# Altium PCB PCB_SmartWatch.PcbDoc (continued)
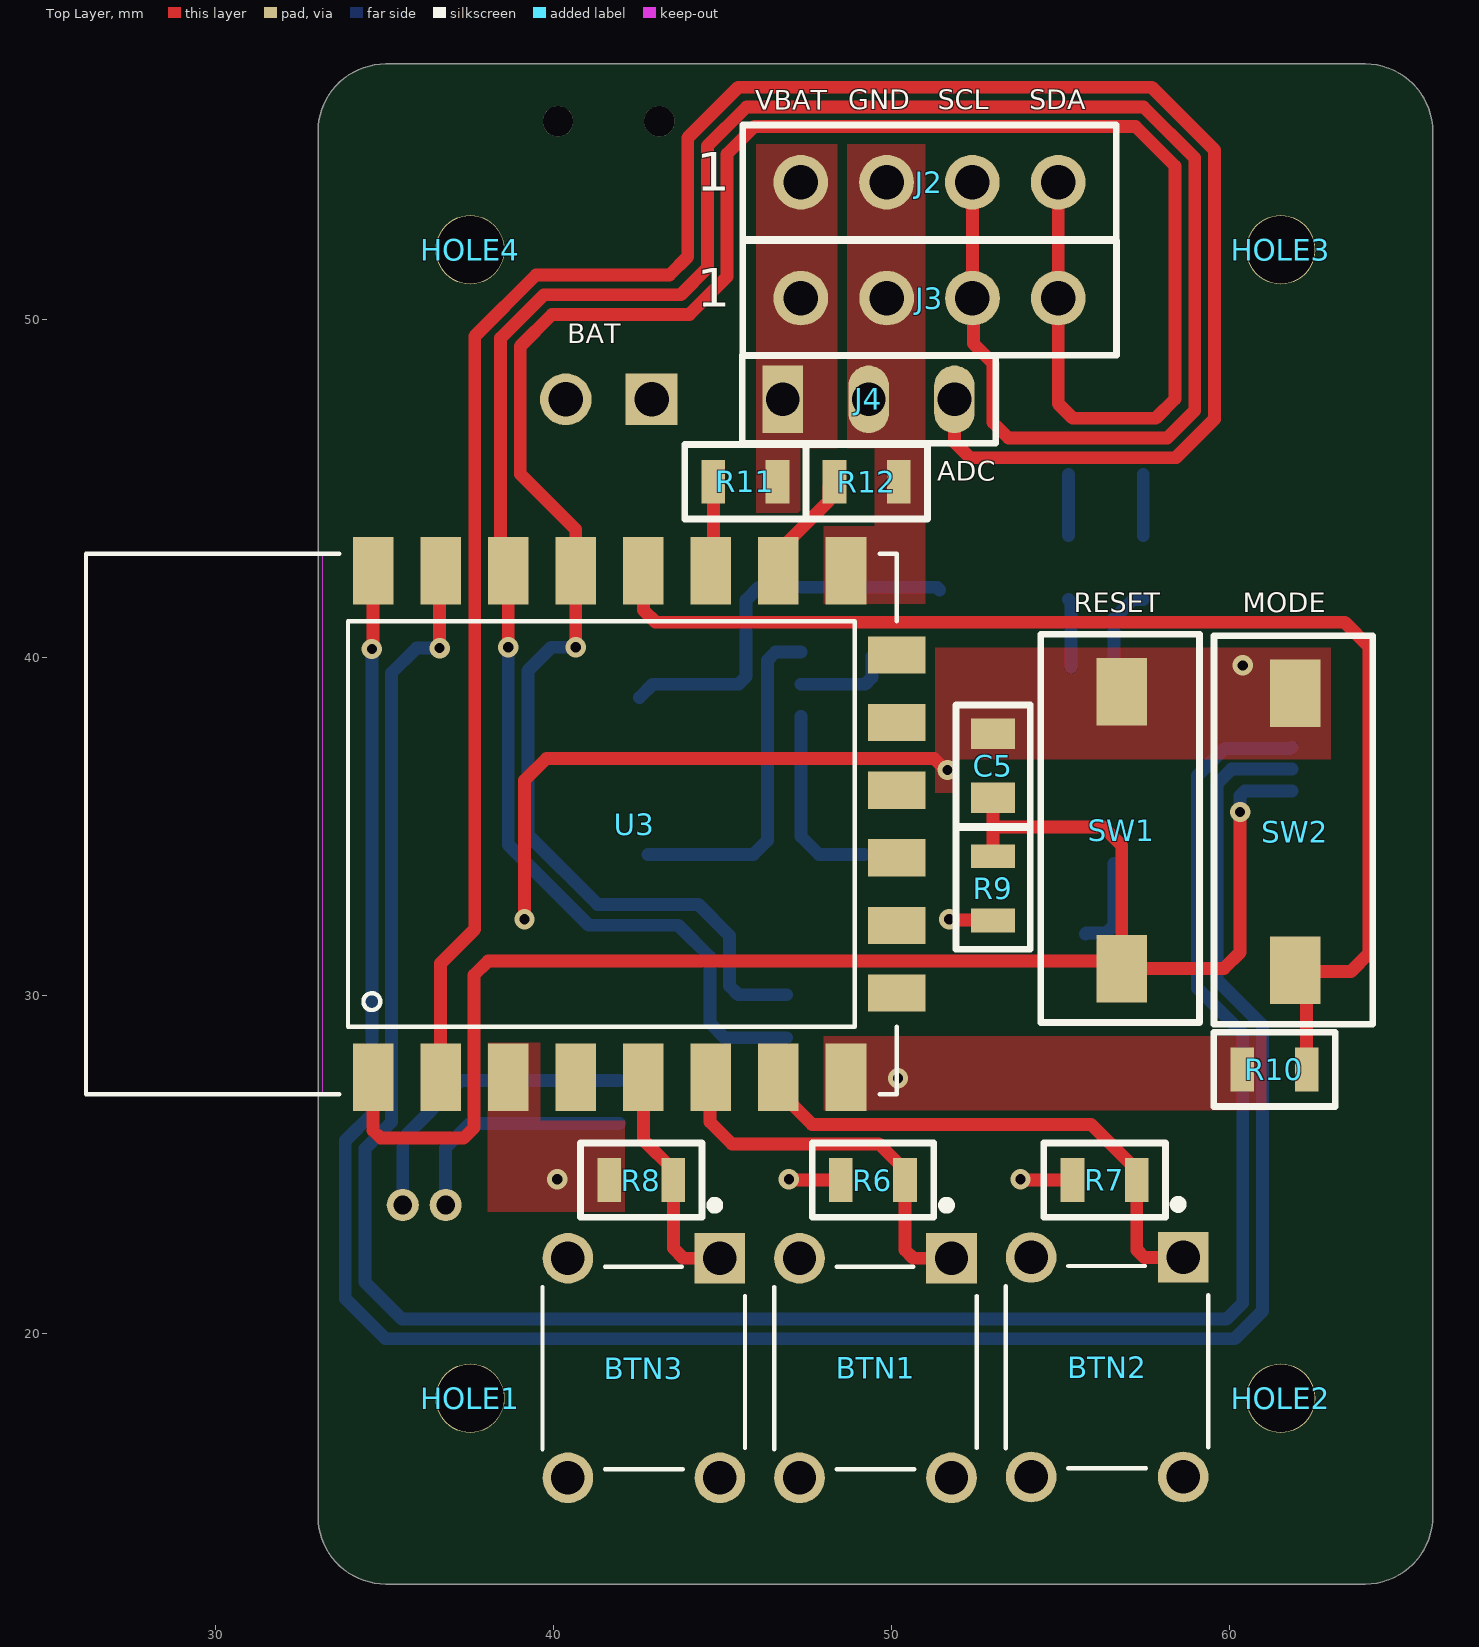
[diagram p0: Top Layer view]
## Part data (continued)
C3: library part CC0805ZKY5V6BB106, "CAP CER 10UF 10V Y5V 0805", Case/Package=0805, Case Code (Metric)=2012, Dielectric=Y5V, Dielectric Material=Ceramic, Manufacturer=Yageo, Max Operating Temperature=85°C, Min Operating Temperature=-30°C, Package Quantity=1, Supplier Part Number 1=311-1355-1-ND, Tolerance=80%, Voltage Rating=10V, Capacitance=10uF, Case Code (Imperial)=0805, ComponentLink1Description=https://datasheet.ciiva.com/11465/upy-gphc-y5v-6-3v-to-50v-5-11465832.pdf?src-supplier=Avnet, ComponentLink1URL=https://datasheet.ciiva.com/11465/upy-gphc-y5v-6-3v-to-50v-5-11465832.pdf?src-supplier=Avnet, ComponentLink2Description=https://datasheet.ciiva.com/16624/upy-gphc-y5v-6-3v-to-50v-5-16624678.pdf?src-supplier=Avnet+Europe, ComponentLink2URL=https://datasheet.ciiva.com/16624/upy-gphc-y5v-6-3v-to-50v-5-16624678.pdf?src-supplier=Avnet+Europe, ComponentLink3Description=https://datasheet.ciiva.com/28450/1132289-28450847.pdf?src-supplier=Element14, ComponentLink3URL=https://datasheet.ciiva.com/28450/1132289-28450847.pdf?src-supplier=Element14, ComponentLink4Description=https://datasheet.ciiva.com/156/mlccorderingcode-156385.pdf?src-supplier=Digi-Key, ComponentLink4URL=https://datasheet.ciiva.com/156/mlccorderingcode-156385.pdf?src-supplier=Digi-Key, ComponentLink5Description=https://datasheet.ciiva.com/156/mlccorderingcode-156384.pdf?src-supplier=Digi-Key, ComponentLink5URL=https://datasheet.ciiva.com/156/mlccorderingcode-156384.pdf?src-supplier=Digi-Key, ComponentLink6Description=https://datasheet.ciiva.com/156/mlccorderingcode-156386.pdf?src-supplier=Digi-Key, ComponentLink6URL=https://datasheet.ciiva.com/156/mlccorderingcode-156386.pdf?src-supplier=Digi-Key, Construction=Flat, Depth=1.25mm, Dissipation Factor=20%, Halogen Free="Halogen Free", Height=0.85mm, Lead Free="Lead Free", Length=2mm, Manufacturer Part Number=CC0805ZKY5V6BB106, Mount="Surface Mount", Number of Pins=2, Packaging="Tape and Reel", Pricing 1="1 = 0.21000, 10 = 0.14700, 50 = 0.08320, 100 = 0.06900, 500 = 0.04834, 1000 = 0.04002 (USD)", Radiation Hardening=No, REACH SVHC="No SVHC", Resistor Type=Ceramic, RoHS=Yes, RoHS Compliant=Yes, Series=CC, Stock 1=2294, Supplier 1=Digi-Key, Termination=SMD/SMT, Thickness=0.049inch, Voltage Rating (DC)=10V, Width=0.049inch
D1 D2: library part LSM0805412V, "Red 625nm LED Indication - Discrete 2V 0805 (2012 Metric)", Manufacturer="Visual Communications", Supplier Part Number 1=28-LSM0805412VCT-ND, Manufacturer Part Number=LSM0805412V, Pricing 1="1 = 0.47000, 10 = 0.34000, 100 = 0.15120, 500 = 0.10584, 1000 = 0.08694 (USD)", RoHS=No, Stock 1=1900, Supplier 1=Digi-Key
HOLE1 HOLE2 HOLE3 HOLE4: library part "Hole 2mm", "Hole 3mm"
J1: "Headers & Wire Housings High Temperature PCB Header Strips, 0.100 pitch", Manufacturer=Samtec, Supplier Part Number 1=HTSW-102-07-H-S-ND, ComponentLink1Description=https://datasheet.ciiva.com/10279/htsw-th-10279801.pdf?src-supplier=Avnet, ComponentLink1URL=https://datasheet.ciiva.com/10279/htsw-th-10279801.pdf?src-supplier=Avnet, Contact Plating=Gold, Gender=Male, Manufacturer Part Number=HTSW-102-07-H-S, Mount="Through Hole", Number of Contacts=2, Number of Rows=1, Packaging=Bulk, Pitch=2.54mm, Pricing 1="1 = 0.67000 (USD)", Radiation Hardening=No, RoHS=Yes, RoHS Compliant=Yes, Stock 1=0, Supplier 1=Digi-Key, Termination=Solder
J2 J3: "CONN HEADER 4 POS 2.54mm"
J4: library part 87220-3, "Conn Unshrouded Header HDR 3 POS 2.54mm Solder ST Thru-Hole", Color=Black, Contact Current Rating=3A, Flammability Rating="UL94 V-0", High Temperature Housing=No, Manufacturer="TE Connectivity", Max Operating Temperature=105°C, Min Operating Temperature=-65°C, Package Quantity=500, Supplier Part Number 1=A26544-ND, Approvals=CSA, Board Standoff="No (Without)", ComponentLink1Description=https://datasheet.ciiva.com/27055/1934500-27055078.pdf?src-supplier=Jameco, ComponentLink1URL=https://datasheet.ciiva.com/27055/1934500-27055078.pdf?src-supplier=Jameco, ComponentLink2Description=https://datasheet.ciiva.com/11754/0900766b80fa3621-11754119.pdf?src-supplier=RSComponents, ComponentLink2URL=https://datasheet.ciiva.com/11754/0900766b80fa3621-11754119.pdf?src-supplier=RSComponents, ComponentLink3Description=https://datasheet.ciiva.com/709/eng-cd-87220-k3-709958.pdf?src-supplier=Digi-Key, ComponentLink3URL=https://datasheet.ciiva.com/709/eng-cd-87220-k3-709958.pdf?src-supplier=Digi-Key, ComponentLink4Description=https://datasheet.ciiva.com/14640/70082841-14640726.pdf?src-supplier=Allied+Electronics, ComponentLink4URL=https://datasheet.ciiva.com/14640/70082841-14640726.pdf?src-supplier=Allied+Electronics, ComponentLink5Description=https://datasheet.ciiva.com/16391/eng-cs-1307819-section-5-0908-16391079.pdf?src-supplier=Future+Electronics, ComponentLink5URL=https://datasheet.ciiva.com/16391/eng-cs-1307819-section-5-0908-16391079.pdf?src-supplier=Future+Electronics, Connector Type=Plug,Header,Pin, Contact Gender=Male, Contact Material=Bronze, Contact Mating Length=8.08mm, Contact Plating=Gold, Contact Post Length=0.125inch, Contact Protection="No (Without)", Contact Shape=Square, Current Rating=3A, Depth=2.54mm, ELV=Compliant, Gasket="No (Without)", Gender=Male, High Speed Serial Data Connector=No, Housing Color=Black, Housing Material=Thermoplastic, Keyed=No, Lead Free="Lead Free", Length=7.21mm, Manufacturer Part Number=87220-3, Mating Alignment="No (Without)", Mating Connector Lock="No (Without)", Mount="Through Hole", Number of Contacts=3, Number of Positions=3, Number of Rows=1, Orientation=Straight, Packaging=Carton, PCB Mounting Orientation=Vertical, PCB Mount Retention=Without, PCB Thickness=1.397mm, Pitch=2.54mm, Pricing 1="1 = 2.57000, 10 = 2.33000, 100 = 1.99710, 500 = 1.66428, 1000 = 1.42653, 5000 = 1.26486, 10000 = 1.23633 (USD)", Radiation Hardening=No, RoHS=Yes, Row Spacing=2.54mm, Selectively Loaded="No (Without)", Stabilizers="No (Without)", Stock 1=7787, Strain Relief="No (Without)", Supplier 1=Digi-Key, Termination="Through Hole"
Q1 U1: BOM_JLCPCB Part Class="Extended Part", BOM_Manufacturer=FORTUNE, BOM_Supplier=LCSC
  Q1: BOM_Manufacturer Part=FS8205A, BOM_Supplier Part=C16052, spicePre=Q, spiceSymbolName=FS8205A
  U1: BOM_Manufacturer Part=DW01A-G, BOM_Supplier Part=C61503, Contributor=LCSC, spicePre=U, spiceSymbolName=DW01A-G
R1: library part RC0805FR-07100RL, "???? 100O ± 1.00% 0.125W ± 100ppm/? 0805", Case/Package=0805, Case Code (Metric)=2012, Manufacturer=Yageo, Max Operating Temperature=155°C, Max Power Dissipation=125mW, Min Operating Temperature=-55°C, Package Quantity=5000, Resistance=100R, Resistor Type="Thick Film", Supplier Part Number 1=311-100CRCT-ND, Temperature Coefficient=100ppm/°C, Tolerance=1%, Voltage Rating=150V, Application(s)="HIGH RELIABILITY", Case Code (Imperial)=0805, ComponentLink1Description=https://datasheet.ciiva.com/11808/0900766b8106beab-11808877.pdf?src-supplier=RSComponents, ComponentLink1URL=https://datasheet.ciiva.com/11808/0900766b8106beab-11808877.pdf?src-supplier=RSComponents, ComponentLink2Description=https://datasheet.ciiva.com/7941/1697719-7941680.pdf?src-supplier=Element14, ComponentLink2URL=https://datasheet.ciiva.com/7941/1697719-7941680.pdf?src-supplier=Element14, ComponentLink3Description=https://datasheet.ciiva.com/7660/38627-7660797.pdf?src-supplier=Element14, ComponentLink3URL=https://datasheet.ciiva.com/7660/38627-7660797.pdf?src-supplier=Element14, ComponentLink4Description=https://datasheet.ciiva.com/2456/pyu-r-int-thick-7-2456987.pdf?src-supplier=Digi-Key, ComponentLink4URL=https://datasheet.ciiva.com/2456/pyu-r-int-thick-7-2456987.pdf?src-supplier=Digi-Key, ComponentLink5Description=https://datasheet.ciiva.com/17082/rc0805-17082697.pdf?src-supplier=Future+Electronics, ComponentLink5URL=https://datasheet.ciiva.com/17082/rc0805-17082697.pdf?src-supplier=Future+Electronics, ComponentLink6Description=https://datasheet.ciiva.com/7941/1686128-7941679.pdf?src-supplier=Element14, ComponentLink6URL=https://datasheet.ciiva.com/7941/1686128-7941679.pdf?src-supplier=Element14, ComponentLink7Description=https://datasheet.ciiva.com/22747/444164-22747535.pdf?src-supplier=Element14, ComponentLink7URL=https://datasheet.ciiva.com/22747/444164-22747535.pdf?src-supplier=Element14, ComponentLink8Description=https://datasheet.ciiva.com/46447/444164-46447562.pdf?src-supplier=Element14, ComponentLink8URL=https://datasheet.ciiva.com/46447/444164-46447562.pdf?src-supplier=Element14, ComponentLink9Description=https://datasheet.ciiva.com/2456/pyu-r-int-thick-7-2456988.pdf?src-supplier=Digi-Key, ComponentLink9URL=https://datasheet.ciiva.com/2456/pyu-r-int-thick-7-2456988.pdf?src-supplier=Digi-Key, ComponentLink10Description=https://datasheet.ciiva.com/2456/pyu-r-int-thick-7-2456989.pdf?src-supplier=Digi-Key, ComponentLink10URL=https://datasheet.ciiva.com/2456/pyu-r-int-thick-7-2456989.pdf?src-supplier=Digi-Key, Depth=1.25mm, Features="Moisture Resistant", Height=0.5mm, Lead Free="Lead Free", Lead Pitch=0.4mm, Length=2mm, Manufacturer Part Number=RC0805FR-07100RL, Military Standard=Not, Number of Pins=2, Number of Terminations=2, Packaging="Cut Tape", Power Rating=125mW, Pricing 1="1 = 0.10000, 10 = 0.04200, 100 = 0.01690, 1000 = 0.00759, 2500 = 0.00659 (USD)", REACH SVHC=Unknown, RoHS=Yes, RoHS Compliant=Yes, Series=RC, Stock 1=309360, Supplier 1=Digi-Key, Technology="THICK FILM", Termination=SMD/SMT, Type="General Purpose", Voltage Rating (DC)=150V, Weight=0.000917oz, Width=1.25mm
R2 R3 R4 R6 R7 R8 R9 R10 R11 R12: library part RC0805FR-071KL, "???? 1000O ± 1.00% 0.125W ± 100ppm/? 0805", Case/Package=0805, Case Code (Metric)=2012, Manufacturer=Yageo, Max Operating Temperature=155°C, Max Power Dissipation=125mW, Min Operating Temperature=-55°C, Package Quantity=1, Resistance=1kR, Resistance Tolerance=1%, Resistor Type="Thick Film", Supplier Part Number 1=311-1.00KCRTR-ND, Temperature Coefficient=100ppm/°C, Voltage Rating=150V, Case Code (Imperial)=0805, Construction=Rectangular, Depth=1.25mm, Features="Moisture Resistant", Height=0.024inch, Lead Free="Lead Free", Length=0.079inch, Manufacturer Part Number=RC0805FR-071KL, Military Standard=Not, Number of Pins=2, Number of Terminations=2, Packaging="Tape and Reel", Power Rating=125mW, Pricing 1="5000 = 0.00544 (USD)", REACH SVHC=Unknown, RoHS=Yes, RoHS Compliant=Yes, Series=RC, Size Code=0805, Stock 1=4142320, Supplier 1=Digi-Key, Termination=SMD/SMT, Tolerance=1%, Voltage Rating (DC)=150V, Width=0.049inch
R5: library part CRCW08051K20FKTA, "Res Thick Film 0805 1.2K Ohm 1% 1/8W ±100ppm/°C Molded SMD SMD Paper T/R", Case/Package=0805, Case Code (Metric)=2012, Manufacturer="Vishay Dale", Max Operating Temperature=155°C, Max Power Dissipation=125mW, Min Operating Temperature=-55°C, Package Quantity=5000, Resistance=1.2kR, Resistor Type="Thick Film", Supplier Part Number 1=CRCW08051K20FKTA-ND, Temperature Coefficient=100ppm/°C, Tolerance=1%, Voltage Rating=150V, Case Code (Imperial)=0805, ComponentLink1Description=https://datasheet.ciiva.com/2567/dcrcw-2567141.pdf?src-supplier=Digi-Key, ComponentLink1URL=https://datasheet.ciiva.com/2567/dcrcw-2567141.pdf?src-supplier=Digi-Key, ComponentLink2Description=https://datasheet.ciiva.com/9105/dcrcw-9105595.pdf?src-supplier=Avnet, ComponentLink2URL=https://datasheet.ciiva.com/9105/dcrcw-9105595.pdf?src-supplier=Avnet, Contact Plating=Tin,Lead, Features="Automotive AEC-Q200", Height=0.02inch, Lead Free="Contains Lead", Length=0.079inch, Manufacturer Part Number=CRCW08051K20FKTA, Number of Terminations=2, Packaging="Tape and Reel", Power Rating=125mW, Pricing 1="5000 = 0.01898 (USD)", Radiation Hardening=No, RoHS=No, RoHS Compliant=No, Series=CRCW, Stock 1=0, Supplier 1=Digi-Key, Voltage Rating (DC)=150V, Weight=0.000194oz, Width=0.049inch
SW1 SW2: library part PTS636SM43JSMTRLFS, "Switch Reset", Manufacturer="ITT C&K", Supplier Part Number 1=CKN12317-1-ND, Manufacturer Part Number=PTS636SM43JSMTRLFS, RoHS=No, Stock 1=0, Supplier 1=Digi-Key
SW3: "Switch Slide SPDT Side Slide 0.3A 20VDC Gull Wing SMD Embossed T/R", Current Rating=300mA, Manufacturer="Nidec Copal", Max Operating Temperature=70°C, Max Voltage Rating (DC)=20V, Min Operating Temperature=-20°C, Operating Force=204gf, Supplier Part Number 1=563-1102-1-ND, Voltage Rating (DC)=4V, Actuator Length=1.5mm, Actuator Material=Nylon,Polyamide, Actuator Type=Standard, ComponentLink1Description=https://datasheet.ciiva.com/2889/cus-2889431.pdf?src-supplier=Digi-Key, ComponentLink1URL=https://datasheet.ciiva.com/2889/cus-2889431.pdf?src-supplier=Digi-Key, ComponentLink2Description=https://datasheet.ciiva.com/2889/cus-2889432.pdf?src-supplier=Digi-Key, ComponentLink2URL=https://datasheet.ciiva.com/2889/cus-2889432.pdf?src-supplier=Digi-Key, ComponentLink3Description=https://datasheet.ciiva.com/2889/cus-2889433.pdf?src-supplier=Digi-Key, ComponentLink3URL=https://datasheet.ciiva.com/2889/cus-2889433.pdf?src-supplier=Digi-Key, Contact Material="Copper Alloy", Contact Plating=Gold, Contact Style=Non-Shorting, Electrical Life=10000Cycles, Manufacturer Part Number=CUS-12TB, Mount="Surface Mount", Orientation="Right Angle", Packaging="Tape and Reel", Pricing 1="1 = 0.70000, 10 = 0.67600, 25 = 0.65040, 100 = 0.56450, 250 = 0.51504, 500 = 0.47864, 1000 = 0.42921 (USD)", Radiation Hardening=No, RoHS=Yes, RoHS Compliant=Yes, Series=CUS, Stock 1=30577, Supplier 1=Digi-Key, Switch Function=On-On, Switch Travel=1.5mm, Termination="Gull Wing", Throw Configuration=SPDT
U2: "Vcc=6V Ic=1A", Manufacturer=TPOWER, Supplier Part Number 1=C382139, Manufacturer Part Number=TP4056, Pricing 1="5 = 0.16270, 50 = 0.13430, 150 = 0.11370, 500 = 0.09670, 2500 = 0.09380, 5000 = 0.09240 (USD)", RoHS=No, Stock 1=58255, Supplier 1=LCSC
U3: library part 2491, "ESP8266 SMT MODULE", Case/Package=Module, Current - Receiving=56mA, Current - Transmitting=170mA, Frequency=2.4GHz, Manufacturer="Adafruit Industries", Max Operating Temperature=125°C, Min Operating Temperature=-40°C, Supplier Part Number 1=1528-1438-ND, ComponentLink1Description=https://www.mouser.com/ds/2/737/0A-ESP8266__Datasheet__EN_v4.3-1095239.pdf?src-supplier=Mouser, ComponentLink1URL=https://www.mouser.com/ds/2/737/0A-ESP8266__Datasheet__EN_v4.3-1095239.pdf?src-supplier=Mouser, ComponentLink2Description=https://www.adafruit.com/images/product-files/2471/0A-ESP8266__Datasheet__EN_v4.3.pdf?src-supplier=Digi-Key, ComponentLink2URL=https://www.adafruit.com/images/product-files/2471/0A-ESP8266__Datasheet__EN_v4.3.pdf?src-supplier=Digi-Key, Data Rate=72.2Mbps, Interface=I2C,SPI,UART, Manufacturer Part Number=2491, Mount="Surface Mount", Packaging=Bulk, Pricing 1="1 = 6.95000 (USD)", RoHS=Yes, Sensitivity=-91dBm, Stock 1=1712, Supplier 1=Digi-Key
U4: "Real Time Clock _RTC_ IC Clock/Calendar 56B I²C, 2-Wire Serial 8-SOIC _0.154, 3.90mm Width_", Package="SO-8 Maxim Integrated", Availability=Unavailable, MF="Maxim Integrated", MP=DS1307Z, Price=None, SnapEDA_Link=https://www.snapeda.com/parts/DS1307Z/Maxim%20Integrated/view-part/524266/?ref=snap
USB1: library part 47346-0001, "Micro-USB B Receptacle with Flange, Bottom Mount, Surface Mount, Lead-Free", Color=Black, Contact Current Rating=1A, Contact Resistance=40mR, Current Rating=1.8A, Flammability Rating="UL94 V-0", Manufacturer=Molex, Max Operating Temperature=85°C, Max Voltage Rating (AC)=30V, Min Operating Temperature=-20°C, Supplier Part Number 1=WM17141CT-ND, ComponentLink1Description=https://datasheet.ciiva.com/1098/1698067-1098476.pdf?src-supplier=Element14, ComponentLink1URL=https://datasheet.ciiva.com/1098/1698067-1098476.pdf?src-supplier=Element14, ComponentLink2Description=https://datasheet.ciiva.com/22654/1630785-22654942.pdf?src-supplier=Element14, ComponentLink2URL=https://datasheet.ciiva.com/22654/1630785-22654942.pdf?src-supplier=Element14, ComponentLink3Description=https://datasheet.ciiva.com/16148/1700180473460001-io-nectors-16148917.pdf?src-supplier=Onlinecomponents.com, ComponentLink3URL=https://datasheet.ciiva.com/16148/1700180473460001-io-nectors-16148917.pdf?src-supplier=Onlinecomponents.com, ComponentLink4Description=https://datasheet.ciiva.com/30075/304740473460001-io-nectors-30075527.pdf?src-supplier=Onlinecomponents.com, ComponentLink4URL=https://datasheet.ciiva.com/30075/304740473460001-io-nectors-30075527.pdf?src-supplier=Onlinecomponents.com, ComponentLink5Description=https://datasheet.ciiva.com/4598/0473460001-io-connectors-146446-4598841.pdf?src-supplier=Mouser, ComponentLink5URL=https://datasheet.ciiva.com/4598/0473460001-io-connectors-146446-4598841.pdf?src-supplier=Mouser, ComponentLink6Description=https://datasheet.ciiva.com/11731/0900766b80dfe0a7-11731298.pdf?src-supplier=RSComponents, ComponentLink6URL=https://datasheet.ciiva.com/11731/0900766b80dfe0a7-11731298.pdf?src-supplier=RSComponents, ComponentLink7Description=https://datasheet.ciiva.com/28504/0473460001-io-connectors-28504587.pdf?src-supplier=Element14, ComponentLink7URL=https://datasheet.ciiva.com/28504/0473460001-io-connectors-28504587.pdf?src-supplier=Element14, ComponentLink8Description=https://datasheet.ciiva.com/46390/1681853-46390956.pdf?src-supplier=Element14, ComponentLink8URL=https://datasheet.ciiva.com/46390/1681853-46390956.pdf?src-supplier=Element14, ComponentLink9Description=https://datasheet.ciiva.com/16986/70266948-16986683.pdf?src-supplier=Allied+Electronics, ComponentLink9URL=https://datasheet.ciiva.com/16986/70266948-16986683.pdf?src-supplier=Allied+Electronics, Connector Type=USB,Receptacle, Contact Material="Copper Alloy,Copper", Contact Plating=Gold, Gender=Female, Glow Wire Compliant=Non-compliant, Halogen Free="Low Halogen", Height=0.25inch, Housing Material=Polymer, Lead Free="Lead Free", Length=7.8mm, Manufacturer Part Number=47346-0001, Mount="Surface Mount", Number of Circuits=5, Number of Contacts=5, Number of Ports=1, Number of Positions=5, Number of Rows=1, Number of Terminals/Pins=5, Orientation="Right Angle", Packaging="Tape and Reel", Pitch=0.65mm, Pricing 1="1 = 1.10000, 10 = 0.91200, 100 = 0.75980, 1000 = 0.60782 (USD)", REACH SVHC=Unknown, RoHS=Yes, Series=47346, Stock 1=138, Supplier 1=Digi-Key, Termination=SMD/SMT, USB Standard="USB 2.0", Voltage Rating=30V, Voltage Rating (AC)=30V, Weight=0.01lb, Width=0.25inch
Y1: library part ECS-3X8X, "32.768kHz ±20ppm Crystal 12.5pF 35 kOhms Cylindrical Can, Radial", Package="Cylindrical Can Radial  ECS International", MF="ECS Inc.", MP=ECS-3X8X, SnapEDA_Link=https://www.snapeda.com/parts/ECS-3X8X/ECS%20Inc./view-part/2454480/?ref=snap

## Via types
v1: diameter 0.6, hole 0.3, Top Layer to Bottom Layer, 13 vias

## Nets (pads, with @x,y where several pads share a name; then routed paths per layer and width w, separated by ;. In a path a pad name is that pad's centre, name@x,y a point inside that pad or via, vN(x,y) a via of type N, cw(c..) or ccw(c..) an arc to the next point about the centre after c; other vN are vias at no path point)
+VBAT: C4.2 J2.1 J3.1 J4.1 R6.2 R7.2 R8.2 R9.2 R10.2 R11.2 SW3.3 U3.3 U3.8 U4.3 U4.8 | length 4.3
  Top Layer w0.381: v1@46.99,24.536 R6.2 ; v1(51.714,32.258) 51.732,32.24 52.992,32.24 R9.2 ; v1@53.848,24.536 R7.2
  other v1: 40.107,24.562 46.965,24.562 53.823,24.562 50.195,27.554
+VUSB: C2.2 D1.A D2.A U2.4 U2.8 USB1.1
ADC: J4.3 U3.2 | length 67.7
  Top Layer w0.381: U3.2 36.656,30.956 37.665,31.966 37.665,49.52 39.479,51.333 43.434,51.333 43.971,51.871 43.971,55.393 45.467,56.89 57.708,56.89 59.56,55.037 59.56,47.063 58.42,45.923 52.324,45.923 51.867,46.38 J4.3
GND: BTN1.3 BTN2.3 BTN3.3 C2.1 C3.1 C4.1 C5.1 J2.2 J3.2 J4.2 Q1.2 Q1.3 R4.1 R5.2 R12.1 SW1.1 SW2.1 U2.1 U2.3 U3.15 U4.4 USB1.5 USB1.S1 USB1.S2 USB1.S3 USB1.S4 USB1.S5 USB1.S6 | length 17
  Top Layer w0.381: v1(39.141,32.258) 39.141,36.373 39.788,37.02 51.262,37.02 51.604,36.678 v1(51.664,36.678)
  other v1: 60.401,39.776
IO00: R10.1 SW2.2 U3.18 | length 37.6
  Top Layer w0.381: U3.18 42.656,41.418 43.021,41.053 63.418,41.053 64.135,40.335 64.135,31.242 63.602,30.709 SW2.2@61.991,30.709 ; SW2.2 SW2.2@61.991,30.709 ; R10.1 62.291,30.408 SW2.2@61.991,30.709
IO02: R11.1 U3.17 | length 2.7
  Top Layer w0.381: U3.17 44.729,42.653 R11.1
IO12: BTN1.1 R6.1 U3.6 | length 11.5
  Top Layer w0.381: U3.6 44.628,27.551 44.628,26.258 45.278,25.608 49.632,25.608 50.404,24.836 R6.1 50.404,22.469 50.648,22.225 51.779,22.225 BTN1.1
IO13: BTN2.1 R7.1 U3.7 | length 15.8
  Top Layer w0.381: U3.7 46.656,27.179 47.647,26.189 55.909,26.189 57.262,24.836 R7.1 57.262,22.472 57.485,22.249 BTN2.1
IO14: BTN3.1 R8.1 U3.5 | length 6.9
  Top Layer w0.381: U3.5 42.656,25.726 43.546,24.836 R8.1 43.546,22.52 43.84,22.225 44.921,22.225 BTN3.1
IO015: R12.2 U3.16 | length 3.3
  Top Layer w0.381: U3.16 46.656,43.151 48.156,44.651 48.156,45.052 R12.2
NetC1_1: C1.1 R1.1 U1.5 | length 11.6
  Bottom Layer w0.381: C1.1 42.936,39.218 U1.5 45.471,39.218 45.695,39.441 45.695,41.707 46.076,42.088 51.349,42.088 R1.1
NetC1_2: C1.2 J1.02 Q1.6 Q1.7 U1.6
NetC3_2: C3.2 J1.01 R1.2 SW3.2 U2.5
NetD1_K: D1.K R2.2 | length 1.8
  Bottom Layer w0.381: R2.2 D1.K
NetD2_K: D2.K R3.2 | length 1.8
  Bottom Layer w0.381: R3.2 D2.K
NetQ1_4: Q1.4 U1.3 | length 5.7
  Bottom Layer w0.381: U1.3 47.323,34.709 47.854,34.178 Q1.4
NetQ1_5: Q1.5 U1.1 | length 10.1
  Bottom Layer w0.381: Q1.5 45.913,34.178 46.33,34.595 46.33,39.929 46.568,40.168 U1.1
NetR2_1: R2.1 U2.6 | length 2
  Bottom Layer w0.381: R2.1 55.321,41.646 U2.6
NetR3_1: R3.1 U2.7 | length 2.5
  Bottom Layer w0.381: U2.7 56.591,41.158 57.155,41.722 R3.1
NetR4_2: R4.2 U1.2 | length 2.8
  Bottom Layer w0.381: U1.2 49.225,39.218 49.428,39.421 49.428,40.041 R4.2
NetR5_1: R5.1 U2.2 | length 2.8
  Bottom Layer w0.381: R5.1 55.768,31.852 56.363,31.852 56.591,32.08 U2.2
NetU4_1: U4.1 Y1.2 | length 7.1
  Bottom Layer w0.381: Y1.2 36.805,25.502 37.516,26.213 U4.1
NetU4_2: U4.2 Y1.1 | length 9.1
  Bottom Layer w0.381: Y1.1 35.535,25.763 37.254,27.483 U4.2
RESET: C5.2 R9.1 SW1.2 U3.1 USB1.4 | length 48.1
  Top Layer w0.381: U3.1 34.656,26.008 34.883,25.781 37.338,25.781 37.647,26.09 37.647,30.611 38.056,31.02 56.6,31.02 SW1.2 ; R9.1 53.01,34.989 ; C5.2 53.01,34.989 ; v1(60.325,35.433) 60.325,31.282 59.842,30.8 SW1.2 ; 53.01,34.989 56.274,34.989 56.82,34.442 SW1.2
  Bottom Layer w0.381: v1(60.325,35.433) 60.325,35.916 60.462,36.053 USB1.4
RXUSB: U3.22 USB1.3 | length 68.4
  Top Layer w0.381: v1(34.62,40.259) 34.656,40.295 U3.22
  Bottom Layer w0.381: v1(34.62,40.259) 34.62,26.492 33.833,25.705 33.833,21.031 35.023,19.841 60.165,19.841 60.982,20.658 60.982,29.12 59.635,30.468 59.635,36.267 60.071,36.703 USB1.3
SCL: J2.3 J3.3 U3.20 U4.6 | length 74.3
  Top Layer w0.381: v1(38.656,40.314) U3.20 38.43,42.805 38.43,49.463 39.714,50.746 43.761,50.746 44.552,51.537 44.552,55.153 45.708,56.309 57.467,56.309 58.979,54.797 58.979,47.32 58.166,46.507 53.467,46.507 53.01,46.965 53.01,48.717 52.426,49.301 52.426,50.622 J3.3 52.398,50.649 52.398,54.075 J2.3
  Bottom Layer w0.381: v1(38.656,40.314) 38.656,34.466 41.042,32.08 43.688,32.08 44.628,31.14 44.628,29.185 45.06,28.753 U4.6
SDA: J2.4 J3.4 U3.19 U4.5 | length 68.7
  Top Layer w0.381: v1(40.656,40.314) U3.19 40.656,43.799 39.011,45.444 39.011,49.222 39.954,50.165 44.018,50.165 45.133,51.28 45.133,54.912 45.949,55.728 57.226,55.728 58.395,54.559 58.395,47.659 57.827,47.092 55.372,47.092 54.94,47.523 J3.4 54.938,50.649 54.938,54.075 J2.4
  Bottom Layer w0.381: v1(40.656,40.314) 39.933,40.314 39.237,39.618 39.237,34.763 41.3,32.7 44.281,32.7 45.209,31.772 45.209,30.28 45.466,30.023 U4.5
TXUSB: U3.21 USB1.2 | length 68.3
  Top Layer w0.381: v1(36.627,40.284) 36.627,42.55 U3.21
  Bottom Layer w0.381: v1(36.627,40.284) 35.941,40.284 35.204,39.548 35.204,26.255 34.417,25.467 34.417,21.514 35.509,20.422 59.922,20.422 60.401,20.901 60.401,28.88 59.054,30.227 59.054,36.507 59.865,37.319 61.821,37.319 USB1.2
pads on no net: BTN1.2 BTN1.4 BTN2.2 BTN2.4 BTN3.2 BTN3.4 HOLE1. HOLE2. HOLE3. HOLE4. Q1.1 Q1.8 SW3. SW3.1 U1.4 U2.9 U3.4 U3.9 U3.10 U3.11 U3.12 U3.13 U3.14 U4.7

## Polygon pours and split planes (outlines as drawn)
NetC3_2 on Bottom Layer "NETC3_2_L02_P018" (solid, pour order 18): 42,54.9 42,42 45.2,42 45.2,42.6 50.8,42.6 50.8,43 52.1,43 52.1,41 50.7,41 50.7,39.3 53.7,39.3 53.7,39.1 54.5,39.1 54.5,40.6 54.1,40.6 54.1,45.9 45.6,45.9 45.6,52.8 43,52.8 43,54.9
NetC1_2 on Bottom Layer "NETC1_2_L02_P014" (solid, pour order 14): 43.5,34.595 40.203,34.595 40.197,39.8 41.2,39.8 41.2,40.8 39.7,40.8 39.7,48.4 41.4,48.4 41.4,41.7 45.2,41.7 45.2,39.8 41.7,39.8 41.7,35.675 44.4,35.675 44.4,34.6
GND on Bottom Layer "GND_L02_P008" (solid, pour order 8): 48.7,46.3 48.7,57.2 64.4,57.2 65.6,56 65.6,32.2 60.1,32.2 60.1,34.8 60.9,34.8 60.9,35.6 63.3,35.6 63.3,38.5 60,38.5 60,40.2 60.5,40.2 60.5,42.6 63.1,42.6 63.1,48.5 56,48.5 56,55.2 51,55.2 51,46.3
GND on Bottom Layer "GND_L02_P006" (solid, pour order 6): 39.4,23.8 39.4,20.9 59.8,20.9 59.8,28.9 59.3,29.4 58.6,29.4 58.6,35.3 54.9,35.3 54.9,32.8 52.5,32.8 52.5,38.7 48.1,38.7 48.1,34.6 50.3,34.6 50.3,33.9 51.4,33.9 51.4,33.1 51.8,33.1 52.4,32.5 52.4,32.2 55.1,32.2 55.1,32.6 55.5,32.6 55.9,32.6 55.9,34.8 57.2,34.8 57.2,31.2 57.4,31.2 57.4,23.8
+VBAT on Bottom Layer "+VBAT_L02_P000" (solid, pour order 0): 45.9,46.3 45.9,53.1 43.3,53.1 43.3,55.1 41.7,55.1 41.7,48.6 39.4,48.6 39.4,40.8 38.1,40.8 38.1,29.5 40,29.5 40,29.2 44.1,29.2 44.1,28.2 45.6,28.2 45.6,26.7 48.2,26.7 48.2,33.6 51.2,33.6 51.2,32.8 51.7,32.8 52.1,32.4 52.1,31.9 55.1,31.9 55.1,30.9 57.1,30.9 57.1,24.1 39.4,24.1 39.4,25.6 43.3,25.6 43.3,28.2 35.7,28.2 35.7,39.5 37.2,39.5 37.2,40.9 33.6,40.9 33.6,56.153 34.647,57.2 48.4,57.2 48.4,46.3
GND on Bottom Layer "GND_L02_P004" (solid, pour order 4): 38.4,29.8 38.4,32.7 39.7,32.7 39.7,31.5 43.3,31.5 43.3,29.5 40.3,29.5 40.3,29.8
+VUSB on Bottom Layer "+VUSB_L02_P002" (solid, pour order 2): 52.7,33.1 52.7,38.9 57.3,38.9 57.3,40.6 58.7,40.6 58.7,46.6 54.3,46.6 54.3,48.2 62.8,48.2 62.8,42.9 60.2,42.9 60.2,40.4 59.8,40.4 59.8,38.2 62.6,38.2 62.6,37.8 58,37.8 58,38.4 53.9,38.4 53.9,35.3 54.6,35.3 54.6,33.1
+VBAT on Top Layer "+VBAT_L01_P022" (solid, pour order 22): 39.6,28.6 39.6,26.3 42.1,26.3 42.1,23.6 38.056,23.6 38.056,28.6
+VBAT on Top Layer "+VBAT_L01_P020" (solid, pour order 20): 48,26.6 61.1,26.6 61.1,28.8 48,28.8
GND on Top Layer "GND_L01_P016" (solid, pour order 16): 63,40.3 51.3,40.3 51.3,36 52,36 52,37 63,37
GND on Top Layer "GND_L01_P012" (solid, pour order 12): 48.7,55.2 48.7,46.2 49.5,46.2 49.5,43.9 48,43.9 48,41.6 51,41.6 51,55.2
+VBAT on Top Layer "+VBAT_L01_P010" (solid, pour order 10): 46,44.3 46,55.2 48.4,55.2 48.4,46.2 47.3,46.2 47.3,44.3

## Silkscreen, mask and mechanical layers (free items; w line width, h text height)
Top Overlay:
  text "GND" at 48.725,56.05 h1
  text "SCL" at 51.375,56.05 h1
  text "SDA" at 54.075,56.05 h1
  text "VBAT" at 45.975,56.025 h1
  text "BAT" at 40.4,49.125 h1
  text "ADC" at 51.35,45.05 h1
  text "RESET" at 55.4,41.15 h1
  text "MODE" at 60.401,41.15 h1
Bottom Overlay:
  text "VBAT" at 48.875,55.416 h1
  text "GND" at 51.15,55.416 h1
  text "SCL" at 53.4,55.416 h1
  text "SDA" at 55.8,55.4 h1
  text "+" at 43.725,49.15 h2
  text "ADC" at 52.875,44.85 h1
Mechanical 2:
  circle w0.013: c61.526,52.079 r1.5
  circle w0.013: c37.526,52.079 r1.5
  circle w0.013: c37.526,18.079 r1.5
  circle w0.013: c61.526,18.079 r1.5
  lines w0.013: 33.026,14.579 ccw(c35.026,14.579) 35.026,12.579 64.026,12.579 ccw(c64.026,14.579) 66.026,14.579 66.026,55.579 ccw(c64.026,55.579) 64.026,57.579 35.026,57.579 ccw(c35.026,55.579) 33.026,55.579 33.026,14.579

## Text inside footprints (layer, text, board x,y; h text height)
J2: Top Overlay "1" at 44.227,53.442 h1.97; Mechanical 16 "1" at 44.227,53.442 h1.97
J3: Top Overlay "1" at 44.23,50.013 h1.97; Mechanical 16 "1" at 44.23,50.013 h1.97
USB1: Mechanical 13 "PCB EDGE" at 65.766,32.203 h0.41 r90